# Altium PCB CSU RevB_ASCII.PcbDoc (part 5 of 5)
Units mil, origin at the board's own origin, x right, y up, seen from the top; angles counter-clockwise.
Board outline 5905.51 x 4330.71 mil, 8 copper layers (Top Layer, InternalPlane1, MidLayer1, InternalPlane2, MidLayer2, InternalPlane3, MidLayer3, Bottom Layer); 265 components, 387 nets, 1910 pads, 1151 vias.
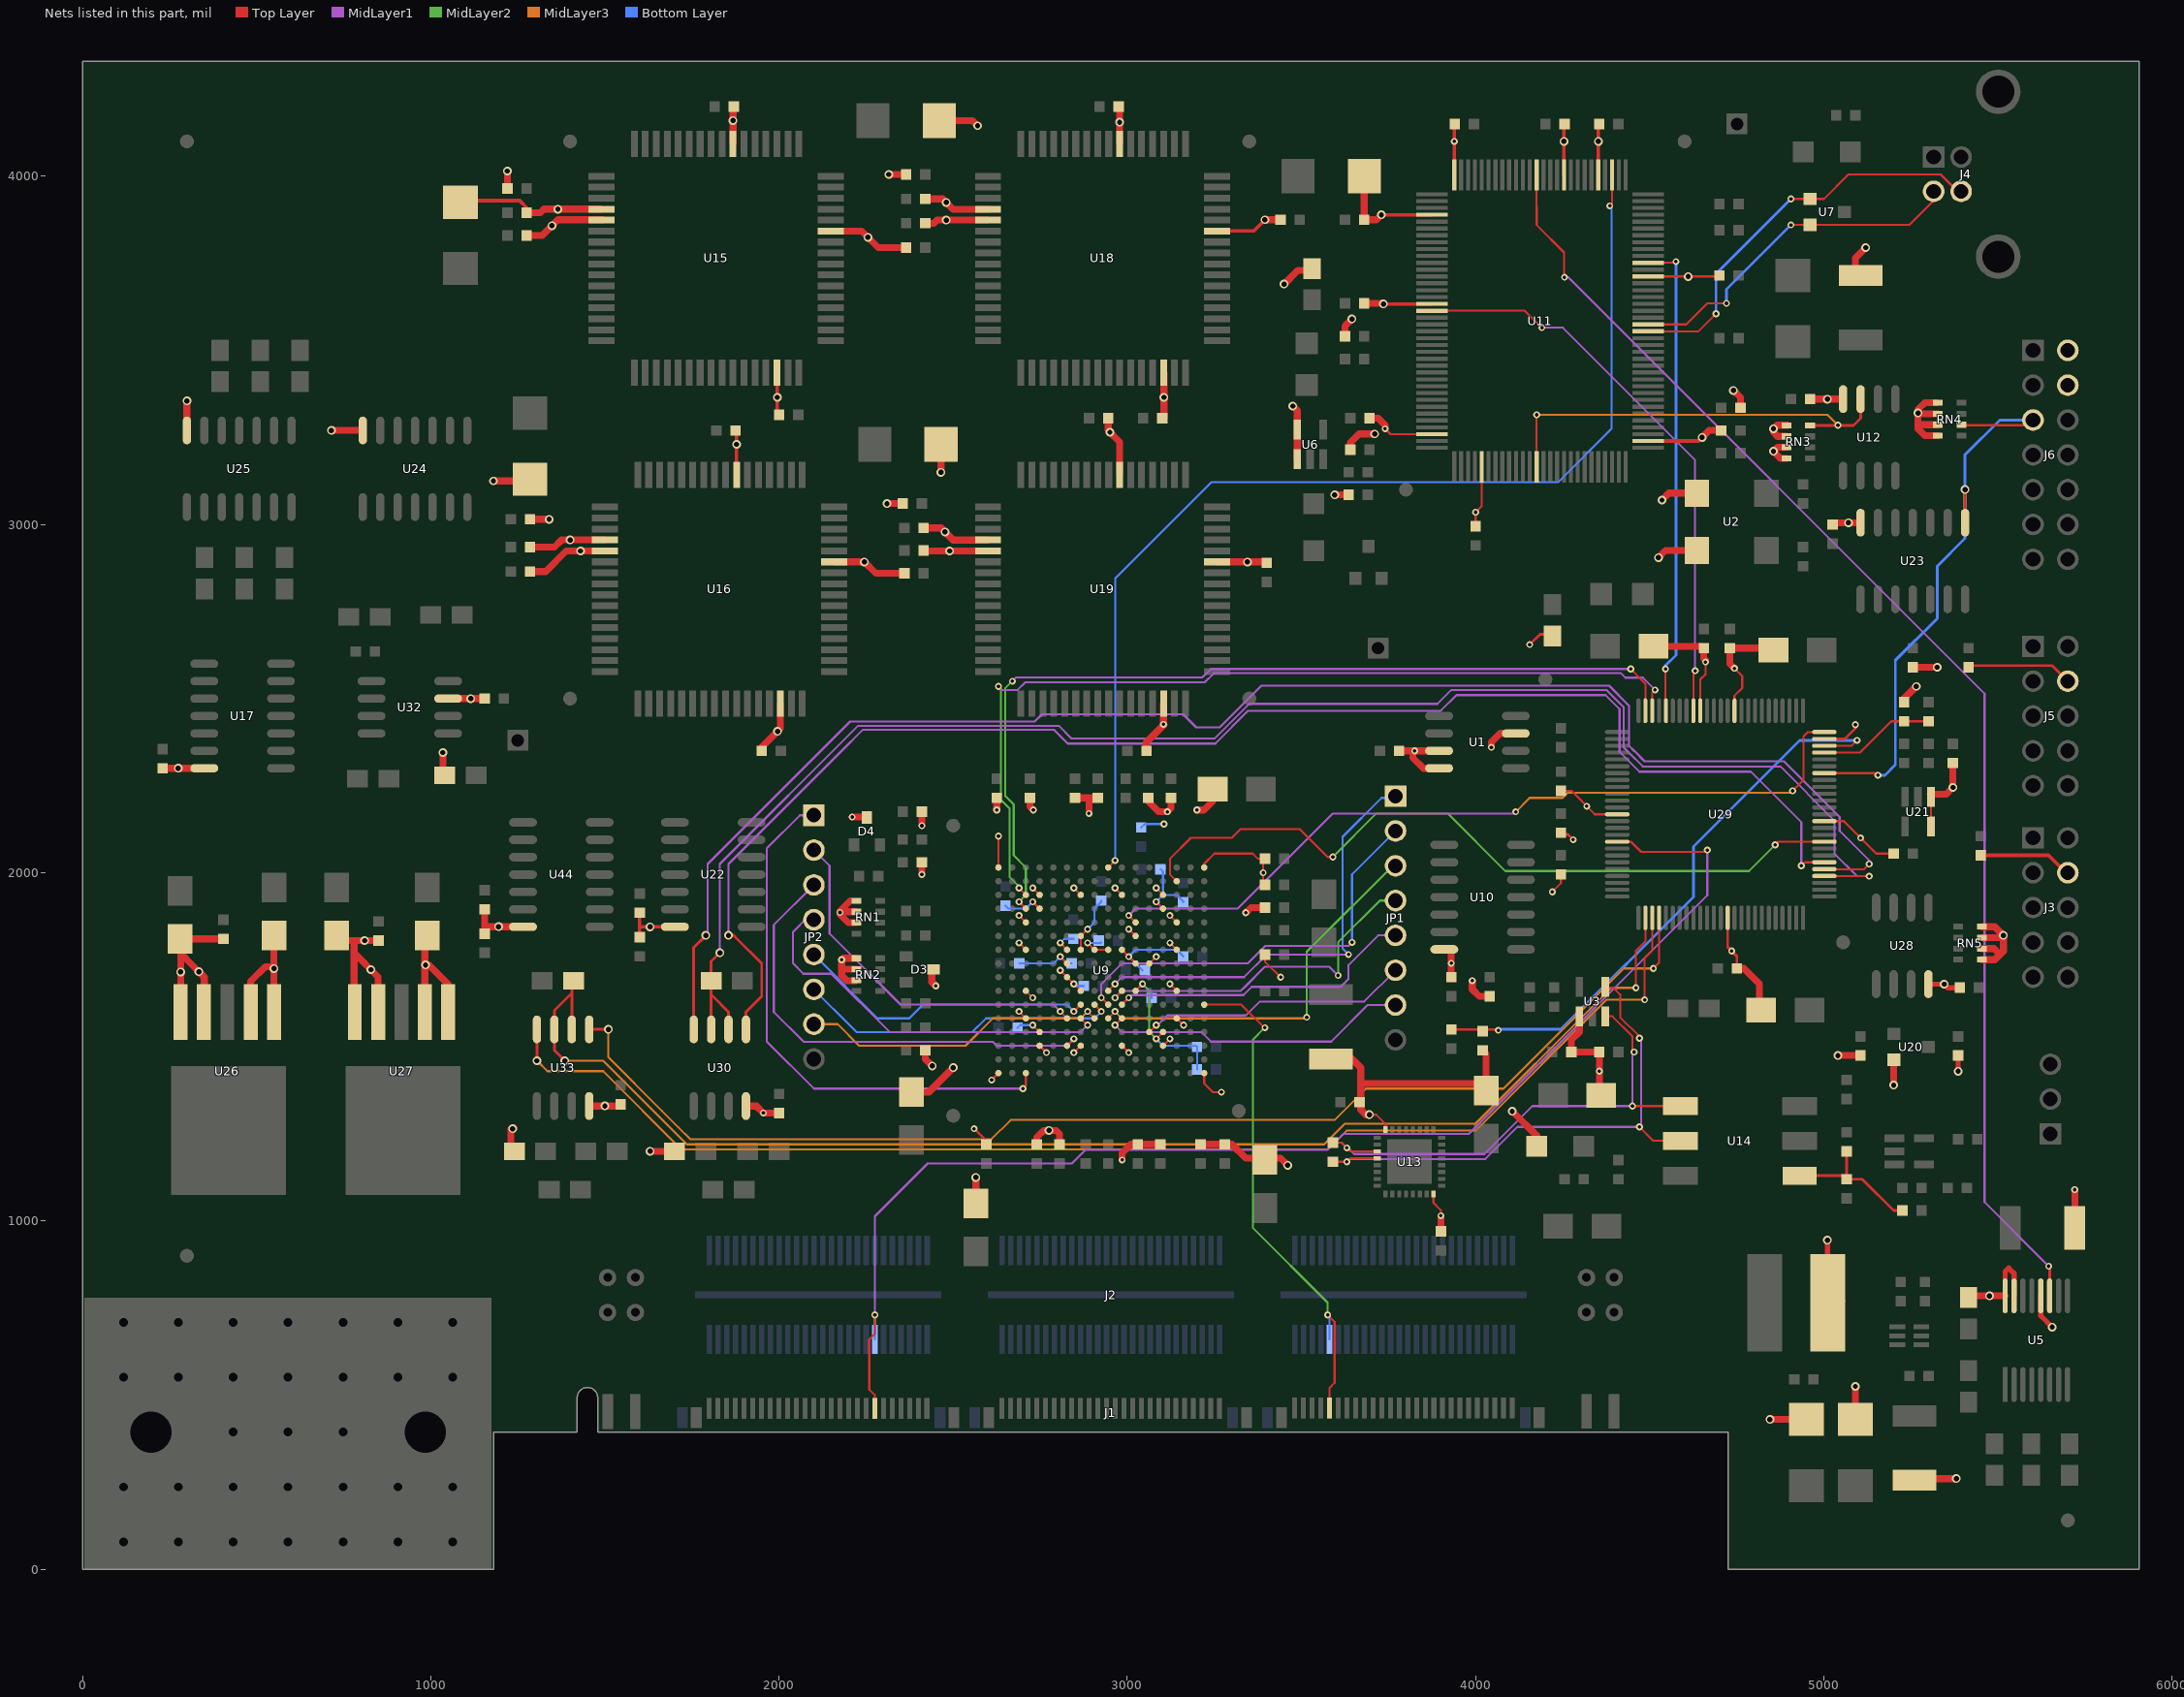
[diagram p11: the nets of this part, all layers, seen from the top]

## Via types
v1: diameter 20, hole 10, Top Layer to Bottom Layer, 647 vias
v2: diameter 25, hole 15, Top Layer to Bottom Layer, 352 vias
v3: diameter 20, hole 10, Top Layer to Bottom Layer, tented top, 151 vias
v4: diameter 20, hole 10, Top Layer to Bottom Layer, tented bottom, 1 vias

## Nets (pads, with @x,y where several pads share a name; then routed paths per layer and width w, separated by ;. In a path a pad name is that pad's centre, name@x,y a point inside that pad or via, vN(x,y) a via of type N, cw(c..) or ccw(c..) an arc to the next point about the centre after c; other vN are vias at no path point) (continued)
TEST_LINE_6: U9.B14 U29.84 | length 2179.4
  Top Layer w6: U9.B14@3141.81,1975.63 3122.13,1995.32 3122.13,2039.57 3182.55,2100 3299.85,2100 3324.85,2125 3495,2125 3575,2045 v1@3595,2045 ; v1(4860,2080) 4869.02,2089.02 U29.84@5001.02,2089.02
  MidLayer2 w6: v1(3590,2045) 3715,2170 3920,2170 4085,2005 4785,2005 v1(4860,2080)
TEST_LINE_7: U9.E11 U29.100 | length 2325.2
  Top Layer w6: v3(3004.02,1877.2) U9.E11@3023.7,1857.52 ; v1(4910,2235) 4941.25,2266.25 4941.25,2391.25 4953.98,2403.98 U29.100@5001.02,2403.98 ; U29.100@5001.02,2405 U29.100@5010,2405
  MidLayer1 w6: v3(3004.02,1877.2) 3023.7,1896.89 3316.89,1896.89 3590,2170 4065,2170 4110,2170 v1(4115,2175)
  MidLayer3 w6: v1(4115,2175) 4155,2215 4250,2215 4265,2230 4905,2230 v1(4910,2235)
TEST_LINE_17: U11.82 U29.17 | length 1655.3
  Top Layer w6: U11.82@3874.45,3613.7 4141.3,3613.7 v1(4190,3565) ; U29.17@4625.04,2465 4625.04,2575.04 v1(4630,2580)
  MidLayer1 w6: v1(4190,3565) 4250.2,3565 4615.37,3199.83 4630,3185.2 v1(4630,2580)
TEST_LINE_21: U11.28 U29.21 | length 1383.9
  Top Layer w6: U11.28@4495,3751.5 4571.5,3751.5 v1(4575,3755) ; U29.21@4545,2465 v1(4545,2585)
  Bottom Layer w8: v1(4545,2585) 4545,2595 4575,2625 v1(4575,3755)
TEST_LINE_23: U9.C3 U29.23 | length 2623.6
  Top Layer w6: v3(2689.06,1955.94) U9.C3@2708.74,1936.26 ; U29.23@4506.93,2465 4506.93,2516.93 v1(4515,2525)
  MidLayer1 w6: v1(2630,2535) 2640,2525 2685,2525 2707,2547 3222,2547 3248,2573 4417,2573 4430,2560 4480,2560 v1(4515,2525)
  MidLayer2 w6: v1(2630,2535) 2637,2528 2637,2209.68 2661.68,2185 2661.68,1988 2689.06,1960.63 v3(2689.06,1955.94)
TEST_LINE_24: U9.D3 U29.24 | length 2629.9
  Top Layer w6: v3(2689.06,1916.57) U9.D3@2708.74,1896.89 ; v1(4445,2585) 4487.24,2542.76 U29.24@4487.24,2465
  MidLayer1 w6: v1(2670,2550) 2681,2561 3215.8,2561 3239.8,2585 v1(4445,2585)
  MidLayer2 w6: v1(2670,2550) 2649,2529 2649,2221 2673.68,2196.32 2673.68,2050.06 2708.74,2015 2708.74,1936.26 v3(2689.06,1916.57)
TG: J1.43 J2.43 U9.L16 | length 1489.5
  Top Layer w6: U9.L16@3220.55,1621.3 3326.73,1621.3 3393.03,1555 v1(3395,1555) ; v1(3575,730) 3595,710 3595,535 3580.21,520.21 J1.43@3580.21,462.85
  MidLayer2 w6: v1(3395,1555) 3360,1520 3360,980.71 3575,765.71 v1(3575,730)
  Bottom Layer w6: v1@3575,735 3580,730 3580,660.35 J2.43@3580.51,659.84
TMS_M: J6.5 RN4.2 U23.8 U29.94 | length 1742.2
  Top Layer w6: U29.94@5001.02,2285.87 5154.13,2285.87 5155,2285 v1(5155,2280)
  Top Layer w8: RN4.2@5390,3285 5585,3285 J6.5@5600,3300 ; U23.8@5405,3005 v2(5405,3100)
  Bottom Layer w8: v1(5155,2280) 5175,2280 5205,2310 5205,2610 5325,2730 5325,2880 5405,2960 5405,3200 5505,3300 J6.5@5600,3300
TST_1: JP2.1 U9.T3 | length 1582
  Top Layer w6: v3(2700,1380) 2708.74,1388.74 U9.T3@2708.74,1424.45
  MidLayer1 w6: JP2.1@2110,2165 2060,2165 1965,2070 1965,1515 2100,1380 v3@2703.66,1380
TST_2: JP2.2 U9.M6 | length 1041.2
  Top Layer w6: v3(2807.17,1601.61) U9.M6@2826.85,1581.93
  MidLayer1 w6: JP2.2@2100,2065 2145,2020 2145,1825 2348.7,1621.3 2787.48,1621.3 v3(2807.17,1601.61)
TST_3: JP2.3 U9.P6 | length 1350.3
  Top Layer w6: U9.P6@2826.85,1503.19 v3(2846.54,1522.87)
  MidLayer1 w6: JP2.3@2100,1965 1985,1850 1985,1600 2070.79,1514.21 2613.98,1514.21 2625,1503.19 2826.85,1503.19 v3(2846.54,1522.87)
TST_4: JP2.4 U9.M7 | length 1132.1
  Top Layer w6: U9.M7@2866.22,1581.93 v3(2885.91,1562.24)
  MidLayer1 w6: JP2.4@2100,1865 2095,1870 2080,1870 2040.32,1830.32 2040.32,1739.68 2070,1710 2150,1710 2317.44,1542.56 2866.22,1542.56 v3(2885.91,1562.24)
TST_5: JP2.5 U9.L7 | length 874.7
  Top Layer w6: v3(2846.54,1601.61) U9.L7@2866.22,1621.3
  Bottom Layer w6: JP2.5@2100,1765 2283.07,1581.93 2374.09,1581.93 2413.46,1621.3 2826.85,1621.3 v3(2846.54,1601.61)
TST_6: JP2.6 U9.L8 | length 921.2
  Top Layer w6: U9.L8@2905.59,1621.3 v3(2925.28,1601.61)
  Bottom Layer w6: JP2.6@2105,1660 2203.51,1561.49 2222.44,1542.56 2555,1542.56 2594.37,1581.93 2905.59,1581.93 v3(2925.28,1601.61)
TST_7: JP2.7 U9.M8 | length 870.1
  Top Layer w6: v3(2885.91,1601.61) U9.M8@2905.59,1581.93
  MidLayer3 w6: JP2.7@2110,1565 2168.19,1565 2230,1503.19 2535.16,1503.19 2613.9,1581.93 2866.22,1581.93 v3(2885.91,1601.61)
TST_11: JP1.1 U9.K9 | length 1278.8
  Top Layer w6: U9.K9@2944.96,1660.67 v3(2964.65,1680.35)
  MidLayer1 w6: v3(2964.65,1680.35) 2984.33,1700.04 3335.04,1700.04 3400,1765 v1(3635,1765)
  Bottom Layer w6: v1(3635,1765) 3617.94,1782.06 3617.94,2102.94 3730,2215 3765,2215 JP1.1@3770,2220
TST_12: JP1.2 U9.L9 | length 1208.3
  Top Layer w6: v3(2925.28,1640.98) U9.L9@2944.96,1621.3
  MidLayer1 w6: v3(2925.28,1640.98) 2925.28,1680.35 2984.33,1739.41 3345.06,1739.41 3395.65,1790 3635,1790 v1(3645,1800)
  Bottom Layer w6: v1(3645,1800) 3645,1995 JP1.2@3770,2120
TST_13: JP1.3 U9.M9 | length 1138.2
  Top Layer w6: U9.M9@2944.96,1581.93 v3(2964.65,1601.61)
  MidLayer2 w6: v1(3515,1585) 3515,1773.03 3770,2028.03 JP1.3@3770,2030
  MidLayer3 w6: v3(2964.65,1601.61) 2984.33,1581.93 3511.93,1581.93 v1(3515,1585)
TST_14: JP1.4 U9.K10 | length 1025.1
  Top Layer w6: v3(2964.65,1640.98) U9.K10@2984.33,1660.67
  MidLayer1 w6: v3(2964.65,1640.98) 2984.33,1660.67 3325.67,1660.67 3338.02,1673.02 3395,1730 3580,1730 v1(3605,1705)
  MidLayer2 w6: v1(3605,1705) 3605,1800 3725,1920 JP1.4@3770,1920
TST_15: JP1.5 U9.L10 | length 891.4
  Top Layer w6: U9.L10@2984.33,1621.3 v3(3004.02,1640.98)
  MidLayer1 w6: v3(3004.02,1640.98) 3011.7,1648.67 3333.47,1648.67 3357.01,1672.21 3612.21,1672.21 3635,1695 3635,1735 3720,1820 JP1.5@3770,1820
TST_16: JP1.6 U9.N12 | length 780.4
  Top Layer w6: U9.N12@3063.07,1542.56 v3(3082.76,1562.24)
  MidLayer1 w6: v3(3082.76,1562.24) 3087.24,1562.24 3115,1590 3340,1590 3380.21,1630.21 3680.21,1630.21 JP1.6@3770,1720
TST_17: JP1.7 U9.M10 | length 896.3
  Top Layer w6: v3(2964.65,1562.24) U9.M10@2984.33,1581.93
  MidLayer1 w6: v3(2964.65,1562.24) 2984.33,1542.56 3212.44,1542.56 3240,1515 3585,1515 3690,1620 JP1.7@3770,1620
TT_SEL_N: J1.117 J2.117 U29.42 | length 3809
  Top Layer w6: J1.117@2274.71,461.79 2274.71,500.5 2259.21,516 2259.21,660 2275,675.79 v1(2275,730) ; U29.42@4406.54,2089.02 4445.98,2089.02 4475,2060 4660,2060 v1(4665,2065)
  MidLayer1 w6: v1(2275,730) 2275,1013.2 2426.8,1165 2841,1165 2880,1204 3574,1204 3602.85,1232.85 3620,1250 3980,1250 4665,1935 v1(4665,2065)
  Bottom Layer w6: v1(2275,730) 2275,660.04 J2.117@2275.2,659.84
TXD_1: U5.11 U11.52 | length 3834.8
  Top Layer w6: 4174.88,3915 U11.52@4174.88,4003.72 ; 4175,3915 4175,3860 4253.67,3781.33 4253.67,3711.33 v1(4255,3710)
  Top Layer w8: v1(5645,870) 5647.95,867.05 U5.11@5647.95,785
  MidLayer1 w6: v1(4255,3710) 4265.2,3710 5461,2514.2 5461,1054 v1(5645,870)
UCA1_T_R: R49.2 U29.52 U33.2 U33.3 | length 3942.1
  Top Layer w6: v1(4460,1669.48) 4460,1775 4487.24,1802.24 U29.52@4487.24,1870.51
  Top Layer w8: v2(1385,1460) 1355,1490 1355,1605 1405,1655 ; U33.2@1405,1550 R49.2@1405,1690
  MidLayer3 w6: v2(1385,1460) 1495,1460 1735,1220 3565,1220 3615.85,1270.85 3624.15,1279.15 3999.15,1279.15 4347.51,1627.51 4389.48,1669.48 v1(4460,1669.48) ; 1537.36,1417.64 1538.1,1416.9
UCA1RXD: U29.54 U33.1 | length 3587.7
  Top Layer w6: v1(4510,1725) 4526.61,1741.61 U29.54@4526.61,1870.51
  Top Layer w8: U33.1@1455,1550 v2(1510,1550)
  MidLayer3 w6: v2(1510,1550) 1510,1470 1663.97,1316.03 1712.67,1267.33 1745,1235 2610,1235 2665,1290 3595,1290 3685,1380 4080,1380 4347.85,1647.85 4425,1725 v1(4510,1725)
UCA1TXD: U29.53 U33.4 | length 3798.3
  Top Layer w6: v1(4485,1635) 4485,1755 4506.93,1776.93 U29.53@4506.93,1870.51
  Top Layer w8: v2(1305,1460) U33.4@1305,1550
  MidLayer3 w6: v2(1305,1460) 1335,1430 1495,1430 1720,1205 3575,1205 3629.43,1259.43 3999.43,1259.43 4375,1635 v1(4485,1635)
UCA3_T_R: R48.2 U29.79 U30.2 U30.3 | length 4614.8
  Top Layer w6: U29.79@5001.02,1990.59 v1@5129.41,1990.59
  Top Layer w8: U30.3@1805,1550 1805,1645 ; v2(1830,1770) 1805,1745 R48.2@1805,1690 1805,1645 ; U30.2@1855,1550 1855,1600 1810,1645 1805,1645
  MidLayer1 w6: v2(1830,1770) 1830,2025 2227,2422 2803,2422 2840,2385 3249.69,2385 3349.69,2485 3519.69,2485 3890,2485 3930,2525 4375,2525 4425,2475 4425,2360 4438.53,2346.47 4480,2305 4875,2305 5030,2150 5030,2055 5095,1990 v1(5130,1990)
UCA3RXD: U29.81 U30.1 | length 4273.4
  Top Layer w6: v1(4935,2020) 4945,2030 U29.81@5000,2030 ; U29.81@5000,2029.96 U29.81@5001.02,2029.96
  Top Layer w8: v2(1855,1820) 1870,1820 1880.25,1809.75 1950,1740 1950,1645 1905,1600 U30.1@1905,1550
  MidLayer1 w6: v2(1855,1820) 1855,2025 2205.52,2375.52 2212.1,2382.1 2240,2410 2790,2410 2829,2371 3252.66,2371 3346.66,2465 3516.66,2465 3900,2465 3945,2510 4373.03,2510 4413,2470.03 4413,2347 4470,2290 4790,2290 4935,2145 v1(4935,2020)
UCA3TXD: U29.80 U30.4 | length 4515.3
  Top Layer w6: U29.80@5000,2010 5115,2010 v1(5130,2025)
  Top Layer w8: U30.4@1755,1550 1755,1785 v2(1790,1820)
  MidLayer1 w6: v2(1790,1820) 1795,1825 1795,2025 2204,2434 2734,2434 2755,2455 3160,2455 3197.72,2417.28 3265,2417.28 3384.72,2537 4383,2537 4440,2480 4440,2365 4455.74,2349.26 ; 4455.42,2349.58 4485,2320 4885,2320 5045,2160 5045,2120 5130,2035 v1(5130,2025)
USBD+: J4.3 U7.1 U11.18 | length 1174
  Top Layer w6: U11.18@4495,3554.65 4639.65,3554.65 v1(4690,3605) ; v1(4905,3935) 5000,3935 5070,4005 5335,4005 5385,3955 5392.01,3955 J4.3@5393.7,3956.69
  Bottom Layer w8: v1(4690,3605) 4690,3720 v1(4905,3935)
USBD-: J4.2 U7.2 U11.19 | length 1017.5
  Top Layer w6: U11.19@4495,3574.33 4604.33,3574.33 4665,3635 v1(4720,3635) ; v1(4905,3860) 4959.8,3860 U7.2@4960,3860.2 5245.2,3860.2 5315,3930 5315,3956.65 J4.2@5314.96,3956.69
  Bottom Layer w8: v1(4720,3635) 4720,3675 v1(4905,3860)
VCC: C1.1 C3.2 C4.1 C8.2 C10.1 C11.1 C12.1 C15.2 C18.2 C20.2 C22.2 C23.1 C25.2 C26.2 C27.2 C28.2 C30.2 C32.1 C39.1 C40.1 C41.1 C42.2 C43.2 C44.2 C45.2 C47.2 C48.2 C49.1 C50.2 C51.2 C52.2 C53.2 C55.1 C56.1 C57.2 C58.2 C59.2 C60.2 C61.2 C62.2 C63.2 C64.2 C65.2 C66.2 C67.2 C68.1 C69.1 C70.1 C71.1 C72.1 C73.2 C75.2 C76.2 C77.1 C78.1 C79.1 C80.1 C81.1 C82.1 C83.1 C84.1 C85.1 C86.1 C87.1 C88.1 C89.1 C90.1 C91.1 C92.1 C93.1 C94.1 C95.1 C96.1 C97.1 C98.1 C99.1 C103.1 C104.1 C107.1 C108.1 C109.1 C111.1 C112.1 C113.2 C137.1 C138.1 C140.2 C142.1 D3.3 D4.3 J3.4 J5.4 J6.2 J6.4 L1.1 L3.1 L4.2 L5.1 L6.2 R1.1 R4.1 R7.2 R10.1 R11.1 R21.2 R25.2 R26.2 R27.1 R28.2 R29.2 R31.2 R32.1 R40.2 R44.2 R50.1 R53.1 R56.2 R57.2 R58.2 RN1.5 RN1.6 RN1.7 RN2.5 RN2.6 RN2.7 RN3.5 RN3.6 RN3.7 RN3.8 RN4.5 RN4.6 RN4.7 RN4.8 RN5.5 RN5.6 RN5.7 RN5.8 U1.3 U1.7 U1.8 U2.1 U2.4 U3.1 U5.12 U5.15 U5.16 U6.1 U6.5 U9.A1 U9.A16 U9.C4 U9.C7 U9.C10 U9.C13 U9.E3 U9.E14 U9.G3 U9.G14 U9.H12 U9.K3 U9.K14 U9.M3 U9.M14 U9.P4 U9.P7 U9.P10 U9.P13 U9.T1 U9.T16 U10.14 U11.2 U11.26 U11.43 U11.48 U11.64 U11.68 U11.81 U11.100 U11.107 U12.8 U15.4 U15.5 U15.30 U15.43 U15.55 U16.4 U16.5 U16.30 U16.43 U16.55 U17.14 U18.4 U18.5 U18.30 U18.43 U18.55 U19.4 U19.5 U19.30 U19.43 U19.55 U20.2 U21.1 U21.5 U22.14 U23.14 U24.14 U25.14 U26.1 U26.2 U27.1 U27.2 U28.8 U29.11 U29.16 U29.38 U29.64 U29.87 U30.8 U32.3 U33.8 U44.14 | length 17426.3
  Top Layer w6: C40.1@1085,3925 C40.1@1090,3930 ; U15.5@1490,3874.01 1490.99,3875 U15.5@1495,3875 ; R53.1@1700,1200 R53.1@1705,1200 ; U15.30@1993.94,3436 U15.30@1995,3434.94 ; v1@2175,1880 v1(2175,1885.98) ; v1@2175,1890 v1@2177.01,1887.99 ; 2180,1720 2182.99,1722.99 ; 2204.49,1919.49 RN1.5@2222,1919.49 ; RN2.5@2216.49,1760 RN2.5@2222,1754.49 ; C58.2@2415,2924.99 C58.2@2415.98,2924.01 ; v3(2610.32,1404.76) U9.T1@2630,1424.45 ; U9.A1@2630,2015 v1(2630,2105) ; v3(2689.06,1601.61) U9.M3@2708.74,1581.93 ; v3(2689.06,1798.46) U9.G3@2708.74,1778.78 ; v3(2689.06,1877.2) U9.E3@2708.74,1857.52 ; U9.K3@2708.74,1660.67 v3(2728.43,1640.98) ; v3(2728.43,1955.94) U9.C4@2748.11,1936.26 ; C96.1@2735,1220 C96.1@2739.99,1224.99 ; U9.P4@2748.11,1503.19 v3(2767.8,1483.5) ; C95.1@2814.99,1220 C95.1@2814.99,1230.01 ; v3(2846.54,1483.5) U9.P7@2866.22,1503.19 ; v3(2846.54,1955.94) U9.C7@2866.22,1936.26 ; v3(2964.65,1955.94) U9.C10@2984.33,1936.26 ; C61.2@2975,4199.99 C61.2@2977.95,4197.04 ; U9.P10@2984.33,1503.19 v3(3004.02,1483.5) ; U9.H12@3063.07,1739.41 v3(3082.76,1759.09) ; v3(3082.76,1955.94) U9.C13@3102.44,1936.26 ; C93.1@3094.99,1220 C93.1@3099.99,1220 ; C66.2@3100,3304.99 C66.2@3105,3309.99 ; U9.P13@3102.44,1503.19 v3(3122.13,1522.87) ; v1@3115,2170 v1(3115,2175) ; v3(3122.13,1680.35) U9.K14@3141.81,1660.67 ; v3(3122.13,1798.46) U9.G14@3141.81,1778.78 ; v3(3122.13,1877.2) U9.E14@3141.81,1857.52 ; U9.M14@3141.81,1581.93 v3(3161.5,1562.24) ; C91.1@3199.99,1220 C91.1@3215,1220 ; U9.T16@3220,1425 U9.T16@3225,1425 ; U9.A16@3220,2015 3220,2025 3250,2055 3360,2055 3375,2040 C87.1@3394.99,2040 ; U9.T16@3220.55,1424.45 3220.55,1394.45 3245,1370 v1(3270,1370) ; U19.43@3255,2895 U19.43@3258,2895 ; C87.1@3390,2030 3390,1967.91 C88.1@3392.6,1965.31 ; C90.1@3395,1764.99 3395,1745 v1(3440,1700) ; C22.2@3685,3309.99 3689.99,3305 C22.2@3695,3305 ; v1(3740,3275) 3755.63,3259.37 U11.100@3874.45,3259.37 ; C25.2@4000.01,2995 v1(4000,3035.2) 4017.4,3052.6 U11.107@4017.4,3165.63 ; U1.3@4115,2400 U1.3@4120,2400 ; v1(4220,1945) 4244.99,1969.99 R58.2@4244.99,1995 ; C79.1@4245.01,2235 4275,2235 v1(4319.04,2190.97) 4320,2190 4342.24,2167.76 U29.38@4406.54,2167.76 ; C30.2@4253.62,4148.62 C30.2@4255,4150 ; C28.2@4350,4150 C28.2@4352.05,4147.95 ; U11.2@4475,3240 U11.2@4495,3240 ; U11.2@4494.68,3240 U11.2@4495,3239.68 ; U2.1@4634.94,2915 U2.1@4635,2915 ; U29.16@4645,2465 4645,2555 4660,2570 v1@4660,2610 ; C27.2@4697.12,3712.13 C27.2@4700,3715.01 ; U29.11@4743.15,2465 4743.15,2508.15 4765,2530 4765,2565 v1(4743.15,2586.85) ; U29.87@5001.02,2148.07 5056.93,2148.07 5150.01,2054.99 C80.1@5200,2054.99 ; R31.2@5250,2590 R31.2@5254.99,2590 ; U21.5@5307.4,2132.68 5307.4,2222.4 U21.1@5310,2225
  Top Layer w8: v1(2560,1265) 2594.99,1230.01 C97.1@2594.99,1220 ; v1(4155,2655) 4185,2685 R29.2@4220,2685 ; R57.2@4245,2110 4265,2110 v1(4280,2095) ; U11.26@4495,3712.13 C27.2@4697.12,3712.13 ; U29.64@4723.46,1870.51 4723.46,1786.54 4730.72,1779.28 4750,1760 C113.2@4750,1724.99 ; C10.1@5415.01,2590 5425,2590 5430,2595 5655,2595 J5.4@5700,2550
  Top Layer w10: C40.1@1090,3930 1255,3930 1275,3910 ; C76.2@1600.01,1815 C75.2@1600.01,1884.98 ; 1600.01,1844.57 U22.14@1701.14,1844.57 ; v2(1630,1844.57) v2@1630,1845 ; C53.2@1875,3269.99 1877.95,3267.04 U16.55@1877.95,3143 ; C47.2@1995,3310 U15.30@1995,3434.94 ; U18.43@3258,3842.52 3362.51,3842.52 v2(3395,3875.01) ; v2(3729.29,3889.29) U11.68@3874.45,3889.29 ; v2@3730,3633.39 U11.81@3874.45,3633.39 ; U11.64@3938.66,4003.72 3938.66,4148.66 C15.2@3940,4150.01 ; U11.48@4253.62,4003.72 C30.2@4253.62,4148.62 ; U11.43@4352.05,4003.72 4352.05,4147.06 C28.2@4355,4150.01 ; U11.2@4495,3239.68 4639.68,3239.68 v2(4650,3250) ; U2.4@4634.94,3090 4635,3090.06 U2.4@4635,3100 ; C12.1@5445,2050 5645,2050 5695,2000 J3.4@5700,2000
  Top Layer w15: L6.2@5010,760 v2(5010,945) ; L6.2@5010,770 L6.2@5055,770 ; U28.8@5300,1680 v2(5345,1680) 5355.01,1669.99 C108.1@5390,1669.99 ; v2(5385,1430) C138.1@5385.01,1475 ; U5.16@5520,785 5520,855 5530,865 5545.59,849.41 U5.15@5545.59,785 ; U5.12@5622.36,785 5622.36,727.64 v2(5655,695)
  Top Layer w20: C49.1@230.01,2300 U17.14@355,2300 ; U25.14@300,3270 v2(300,3355) ; U26.2@483,1600.29 483,1688 525,1730 545,1730 v2(550,1725) ; U26.1@550,1605 C77.1@550,1820 ; v2(715,3270) U24.14@805,3270 ; U27.2@983,1600.29 983,1818 C78.1@985,1820 ; v2@983,1733 v2(985,1735) 995,1735 1050,1680 U27.1@1050,1600.29 ; R44.2@1035,2280 v2(1035,2345) ; U32.3@1055,2500 C140.2@1155,2500.01 ; C63.2@1155.01,1825 C71.1@1155.01,1895 ; 1155.01,1845 U44.14@1264.96,1845 ; v2(1180,3125) C41.1@1285,3125 ; R25.2@1220,3965.01 v2(1220,4015) ; R50.1@1230,1190 v2@1230,1265 ; R50.1@1240,1195 R50.1@1240,1200 ; C44.2@1275.01,3830 1320,3830 v2@1348.27,3858.27 ; C42.2@1275.01,3895 1315,3895 1325.51,3905.51 U15.4@1490,3905.51 ; C45.2@1285.01,2865 1330,2865 1389.01,2924.01 U16.5@1500,2924.01 ; C43.2@1285.01,2935 1355,2935 1375.51,2955.51 U16.4@1500,2955.51 ; R26.2@1285,3014.99 v2@1339.99,3014.99 ; v2(1348.04,3858.04) 1365,3875 U15.5@1495,3875 ; v2@1400,2955 v2(1400,2955.51) ; U33.8@1455,1330 C142.1@1540,1330 ; v2(1630,1200) R53.1@1705,1200 ; U15.55@1867.95,4093 1867.95,4197.94 C52.2@1870,4199.99 ; U30.8@1905,1330 1935,1330 v1(1955,1310) C137.1@2000.01,1310 ; C48.2@1950,2349.99 1950,2360 2003.94,2413.94 U16.30@2003.94,2486 ; U15.43@2148,3842.52 2237.48,3842.52 2285,3795 C50.2@2365,3795.01 ; U16.43@2158,2892.52 v2(2245,2892.52) 2277.52,2860 C51.2@2360,2860.01 ; v1@2175,1880 2198.5,1856.5 RN1.7@2222,1856.5 ; v1@2175,1890 2204.49,1919.49 ; v1@2177.01,1887.99 RN1.6@2222,1887.99 ; 2182.99,1722.99 RN2.6@2222,1722.99 ; v1(2210,2160) D4.3@2255,2160 ; RN2.7@2220,1690 2195,1690 2180,1705 v1(2180,1750) 2184.49,1754.49 RN2.5@2222,1754.49 ; v2(2310,3060) R28.2@2355,3060.01 ; v2@2315.01,4004.99 R27.1@2365,4004.99 ; v1(2410,1995) C98.1@2410,2030.01 ; v1(2410,2135) C103.1@2410,2175.01 ; C60.2@2415.01,2990 2465,2990 2477.71,2977.29 2500,2955 U19.4@2600,2955 ; C58.2@2415.98,2924.01 U19.5@2600,2924.01 ; C99.1@2420,1495 2420,1465 v2(2440,1445) ; C57.2@2420.01,3865 2445,3865 2454.01,3874.01 U18.5@2600,3874.01 ; C59.2@2420.01,3935 2470,3935 2500,3905 U18.4@2605,3905 ; D3.3@2438.74,1722.6 2438.74,1686.26 v1(2450,1675) ; C55.1@2460,4145 2460,4150 2470,4160 2555,4160 v2(2570,4145) ; v2(2465,3150) C56.1@2465,3230 ; C109.1@2565,1055 v2(2565,1125) ; v1(2625,2180) C82.1@2625.01,2215 ; C83.1@2720.01,2215 2720.01,2189.99 v1(2730,2180) ; C96.1@2739.99,1220 2739.99,1239.99 2760,1260 2795,1260 2805,1250 C95.1@2804.99,1220 ; C81.1@2850.01,2215 C84.1@2915.01,2215 ; v1(2890,2170) 2890,2215 ; C67.2@2945,3304.99 2945,3270 2977.95,3237.05 U19.55@2977.95,3143 ; U18.55@2977.95,4093 C61.2@2977.95,4197.04 ; v1(2985,1175) 2985,1195 3010,1220 C93.1@3094.99,1220 ; C62.2@3055,2349.99 3055,2375 3105,2425 v1(3103.94,2426.06) U19.30@3103.94,2486 ; C86.1@3060.01,2215 3060.01,2204.99 3090,2175 v1(3115,2175) 3125.01,2185.01 C85.1@3125.01,2215 ; C66.2@3105,3305 U18.30@3105,3435 ; C91.1@3209.99,1220 3300,1220 3340,1180 3440,1180 v2(3460,1160) ; U19.43@3258,2892.52 3397.49,2892.52 C65.2@3400.01,2890 ; v1(3340,1885) 3355,1900 C89.1@3395,1900 ; v2(3395,3875.01) C64.2@3440,3875.01 ; v2(3450,3690) 3490,3730 R4.1@3530,3730 ; v2(3475,3340) 3487.6,3327.4 U6.1@3487.6,3187.68 ; v2@3595.02,3085 R1.1@3635,3085 ; R7.2@3625,3535 3625,3570 v2(3645,3590) ; R10.1@3640,3215 3640,3235 3665,3260 v2(3710,3260) ; C20.2@3680,3640 C20.2@3680,3634.99 3728.39,3634.99 v2@3730,3633.39 ; C32.1@3680,4030 3680,3875.29 3680.15,3875.14 3715.14,3875.14 v2(3729.29,3889.29) ; C22.2@3690,3305 3720,3305 3740,3285 v1(3740,3275) ; C11.1@3780,2350.01 U1.7@3895,2350 ; v1(3825,2350) 3820,2345 3820,2330 3850,2300 U1.8@3895,2300 ; C23.1@3924.99,1695 C23.1@3929.99,1700 v1(3929.99,1740) U10.14@3930,1780 ; v1(3990,1690) 3990,1665 4010,1645 R21.2@4039.99,1645 ; v1(4045,2360) 4045,2375 4070,2400 U1.3@4115,2400 ; v2(4105,1315) 4175,1245 L5.1@4175,1210 ; U3.1@4297.6,1587.68 4297.6,1542.6 4275,1520 C8.2@4275,1484.99 4354.98,1484.99 C1.1@4354.98,1365.02 ; C70.1@4515,2645 C70.1@4510,2650 4650,2650 C73.2@4654.99,2645 4655,2615 v1@4660,2610 ; v2(4525,2905) 4545,2925 U2.1@4635,2925 ; v2(4535,3070) 4555,3090 U2.4@4634.94,3090 ; v2(4650,3250) 4670,3270 C26.2@4705,3270.01 ; v2(4740,3385) 4760,3365 R11.1@4760,3335.01 ; v1(4743.15,2586.85) 4730.01,2599.99 C72.1@4730.01,2645 4850,2645 4855,2650 C69.1@4855,2655 ; C113.2@4750,1724.99 4770.01,1724.99 4815,1680 4815,1610 C112.1@4820,1605 ; v2(4845,430) 4845.15,430.15 C104.1@4949.78,430.15 ; RN3.8@4892,3190 4875,3190 v2(4855,3210) 4866.5,3221.5 RN3.7@4892,3221.5 ; RN3.6@4892,3252.99 4867.01,3252.99 4855,3265 v2(4855,3275) 4865,3285 RN3.5@4895,3285 ; C39.1@4960,3360.01 U12.8@5055,3360 ; C68.1@5020,3005 U23.14@5105,3005 ; v2(5040,1475) R56.2@5104.99,1475 ; C107.1@5089.78,430.15 5089.78,524.78 v2(5090,525) ; L3.1@5090,3715 5090,3765 v2(5120,3795) ; v2(5200,1390) U20.2@5200,1460 ; R40.2@5230.01,2490 5230.01,2500.01 v2(5265,2535) ; R31.2@5254.99,2590 v2(5325,2590) ; L1.1@5260,260 v2(5380,260) ; 5270,3285 5271.5,3286.5 RN4.7@5327,3286.5 ; v2(5270,3320) 5272.01,3317.99 RN4.6@5327,3317.99 ; U21.1@5305,2225 5350,2225 v2(5370,2245) R32.1@5370,2314.99 ; RN4.5@5325,3350 5290,3350 5270,3330 5270,3275 5290,3255 RN4.8@5327,3255 ; C4.1@5415,780 5420,785 U5.16@5520,785 ; RN5.5@5453,1750 5490,1750 5515,1775 v2(5515,1820) ; RN5.6@5453,1782.01 5487.99,1782.01 5505,1765 ; RN5.7@5453,1813.5 5508.5,1813.5 v2(5515,1820) ; RN5.8@5453,1845 5490,1845 v2(5515,1820) ; v1(5720,1090) 5720.12,1089.88 L4.2@5720.12,979.96
  other v1: 4354.98,1430 4735,1775 3390,2000 5105,2100 4660,2605 3938.66,4100
  other v2: 5475,785 2775,1260 1235,1265 1500,1330 1195,1845 275,2300 1995.67,2405.67 1115,2500 3345,2892.52 1430,2924.01 2490,2924.01 2476.56,2978.44 5070,3005 1340,3015 3595.01,3084.99 1877.95,3230 2950,3265 5010,3360 1995,3365 3105,3365 3735,3633.39 4610,3712.13 2255.22,3824.78 2480,3874.01 1365,3905.51 2480,3925 2315,4005 4253.62,4100 4352.05,4100 2977.95,4155 1867.95,4160
VCC_1.2V: C102.1 C106.2 C114.2 C115.2 C116.2 C117.2 C118.2 C119.2 C120.2 C121.2 C122.2 C123.2 C124.2 C125.2 C126.1 C129.2 C131.2 C133.2 C135.2 C136.1 U9.D4 U9.D13 U9.F7 U9.F11 U9.G6 U9.G7 U9.G8 U9.G9 U9.G10 U9.H6 U9.H11 U9.J6 U9.K7 U9.K11 U9.N4 U9.N13 U27.4 U27.5 U29.99 | length 2768.9
  Top Layer w6: v3(2728.43,1562.24) U9.N4@2748.11,1542.56 ; v3(2728.43,1916.57) U9.D4@2748.11,1896.89 ; v3(2807.17,1719.72) U9.J6@2826.85,1700.04 U9.K7@2866.22,1660.67 ; v3(2807.17,1759.09) U9.H6@2826.85,1739.41 ; v3(2807.17,1798.46) U9.G6@2826.85,1778.78 ; U9.G7@2866.22,1778.78 U9.F7@2866.22,1818.15 v3(2885.91,1837.83) ; v3(2885.91,1798.46) U9.G8@2905.59,1778.78 U9.G9@2944.96,1778.78 ; U9.G10@2984.33,1778.78 U9.H11@3023.7,1739.41 ; v3(3004.02,1837.83) U9.F11@3023.7,1818.15 ; U9.K11@3023.7,1660.67 v3(3043.39,1680.35) ; v3(3082.76,1522.87) U9.N13@3102.44,1542.56 ; v3(3082.76,1916.57) U9.D13@3102.44,1896.89
  Top Layer w8: U29.99@5001.02,2384.29 5059.29,2384.29 5065,2390 5090,2415 v1(5090,2425)
  Top Layer w20: C102.1@735,1805 C106.2@849.99,1805 ; 780,1770 849,1701 U27.4@849,1600.29 U27.4@850,1601.29 ; 780,1805 780,1602.29 U27.5@782,1600.29 ; C126.1@2380,1370 2430,1370 v2(2500,1440) ; v1(3200,2180) 3220,2180 3245,2205 C136.1@3245,2240
  MidLayer2 w6: v3(3043.39,1680.35) 3063.07,1660.67 3063.07,1542.56 v3(3082.76,1522.87)
  Bottom Layer w6: C133.2@2650.01,1905 2658.12,1896.89 2708.74,1896.89 v3(2728.43,1916.57) ; C121.2@2685,1555.01 2692.24,1562.24 v3(2728.43,1562.24) ; C115.2@2690,1740.01 2690.6,1739.41 2787.48,1739.41 v3(2807.17,1759.09) 2826.27,1739.99 C116.2@2840,1739.99 ; v3(2807.17,1798.46) 2818.7,1810 C123.2@2845.01,1810 ; v3(2846.54,1680.35) 2851.9,1674.99 C125.2@2875,1674.99 ; v3(2885.91,1798.46) 2923.47,1798.46 C129.2@2925,1799.99 ; v3(2885.91,1837.83) 2905.59,1857.52 2905.59,1896.89 2925.01,1916.31 C124.2@2925.01,1920 ; C117.2@3039.99,2130 3049.99,2140 v1(3105,2140) ; v3(3043.39,1680.35) 3070,1653.74 C119.2@3070,1639.99 ; C114.2@3043.39,1719.72 v3(3004.02,1759.09) 3023.7,1778.78 3141.81,1778.78 3160,1760.59 C118.2@3160,1759.09 ; v3(3082.76,1522.87) 3102.44,1503.19 3196.8,1503.19 C120.2@3200,1499.99 C122.2@3200,1434.99 ; v3(3082.76,1916.57) 3083.43,1916.57 3083.43,1917.24 3102.44,1936.26 ; C135.2@3095,2010.01 3102.44,2002.57 3102.44,1936.26 ; C131.2@3159.92,1915 C131.2@3160.01,1915 ; C131.2@3161.5,1916.57 3141.81,1936.26 3102.44,1936.26
  other v2: 828.45,1721.55 810,1805
VCC_2.5_TEST: R41.1 R42.2 U29.98 | length 1700.4
  Top Layer w6: R42.2@3932.45,1547.56 R42.2@3930.01,1550 4062.56,1550 v1(4065,1547.56) ; U29.98@5000,2365 5080,2365 v1(5095,2380)
  Bottom Layer w8: v1(4065,1547.56) 4067.44,1550 4245,1550 4625,1930 4625,2075 4930,2380 5075,2380 v1(5095,2380)
VCC_2.5V: C29.1 C33.2 C36.2 C101.1 C105.2 L7.2 R41.2 U13.16 U13.32 U26.4 U26.5 | length 1635.4
  Top Layer w6: U26.5@280,1600 U26.5@280,1600.29 ; v2(3695,1305) 3715,1305 3741.1,1278.9 U13.32@3741.1,1262.52 ; U13.16@3878.9,1077.48 3878.9,1052.32 3900,1031.21 v1@3900,1010 ; C29.1@4025,1400 R41.2@4025,1494.99
  Top Layer w20: v2@280,1715 v2(282,1715) ; U26.5@282,1600.29 C101.1@282,1768 ; U26.4@349,1600.29 350,1601.29 350,1700 316.88,1733.12 C101.1@282,1768 ; C105.2@405,1805 400,1810 C101.1@280,1810 C101.1@282,1808 ; L7.2@3589.84,1460 L7.2@3584.96,1464.88 3645.12,1464.88 3670,1440 3670,1320 3685,1305 v2(3695,1305) ; 3670,1400 3675,1395 C29.1@4030,1395 ; C33.2@3900.01,970 v1@3900.01,1009.99 ; R41.2@4019.99,1490 4030,1479.99 C29.1@4030,1375 ; C101.1@282,1768 C101.1@282,1808 ; C101.1@282,1768 C101.1@282,1808 ; C101.1@282,1768 C101.1@282,1808
  other v1: 3900,1015
  other v2: 334.57,1715.43
VCC_TEST: R39.2 R40.1 U29.97 | length 326.2
  Top Layer w6: U29.97@5001.02,2344.92 5060,2344.92 ; 5060,2345 5103.03,2345 5193.03,2435 R40.1@5220,2435 ; R40.1@5230.01,2435 R39.2@5299.99,2435
VCO_CONTROL: C34.1 C37.2 R59.2 U14.1 | length 416.4
  Top Layer w8: U14.1@4930,1130 5055.01,1130 C37.2@5065.01,1120 ; C34.1@5065.01,1200 C37.2@5065.01,1120 ; R59.2@5225,1030.01 5199.99,1030.01 5110,1120 C37.2@5065.01,1120
VCX_N: R23.1 U3.4 U13.4 U14.5 | length 1605.9
  Top Layer w6: R23.1@3590.01,1170 v1(3630,1170) 3639.84,1179.84 U13.4@3717.48,1179.84 ; U3.4@4375,1672.32 U3.4@4372.4,1672.32 4374.72,1670 4395,1670 4415,1650 4415,1585 4470,1530 v1(4470,1525) ; v1(4470,1270) 4510,1230 U14.5@4585,1230
  MidLayer1 w6: v1(3630,1170) 3638.04,1178.04 4027.97,1178.04 4119.93,1270 v1(4470,1270) 4475,1275 4475,1520 v1(4470,1525)
VCX_P: R23.2 U3.3 U13.3 U14.4 | length 1478.2
  Top Layer w6: R23.2@3590.01,1225 3615,1225 3640.47,1199.53 U13.3@3717.48,1199.53 ; U3.3@4372.4,1587.68 4392.32,1587.68 4450,1530 4450,1490 v1(4455,1485) ; v1(4450,1330) U14.4@4590,1330
  MidLayer1 w6: v1(3630,1210) 3633.04,1210 3651,1192.04 4025,1192.04 4162.96,1330 v1(4450,1330) 4450,1490 v1(4455,1485)
WR_N: U9.A9 U11.41 | length 3174.8
  Top Layer w6: U9.A9@2945,2015 v1@2964.82,2034.82 ; v1(4385,3915) 4391.42,3921.42 U11.41@4391.42,4003.72
  Bottom Layer w6: v1(2964.65,2035) 2965.4,2035.75 2965.4,2845.51 3241,3121.11 4236.11,3121.11 4390,3275 4390,3910 v1(4385,3915)
WRPROTECT: RN3.4 U11.115 U12.7 | length 1235.2
  Top Layer w6: U11.115@4174.88,3165.63 v1@4174.88,3314.88
  Top Layer w8: RN3.4@4960.01,3284.49 5084.49,3284.49 5105,3305 U12.7@5105,3360
  MidLayer3 w6: v1(4175,3315) 5010,3315 v1(5040,3285)
pads on no net: 1. 2. ?. D1.2 J1.120 J2.120 J4.1 J5.6 J5.7 J5.8 J6.6 J6.10 J6.13 U5.1 U5.10 U9.B3 U9.B10 U9.B12 U9.C9 U9.D9 U9.D12 U9.E9 U9.F16 U9.J15 U9.L14 U9.L15 U11.6 U11.7 U11.8 U11.9 U11.11 U11.14 U11.15 U11.16 U11.21 U11.22 U11.23 U11.29 U11.30 U11.31 U11.34 U11.38 U11.39 U11.42 U11.50 U11.51 U11.66 U11.67 U11.69 U11.71 U11.84 U11.98 U11.126 U11.127 U11.128 U13.5 U13.6 U13.7 U15.36 U15.37 U15.38 U15.40 U15.41 U15.42 U15.44 U15.45 U15.47 U15.48 U15.54 U15.56 U16.36 U16.37 U16.38 U16.40 U16.41 U16.42 U16.44 U16.45 U16.47 U16.48 U16.54 U16.56 U18.36 U18.37 U18.38 U18.40 U18.41 U18.42 U18.44 U18.45 U18.47 U18.48 U18.56 U18.57 U19.36 U19.37 U19.38 U19.40 U19.41 U19.42 U19.44 U19.45 U19.47 U19.48 U19.56 U19.57 U29.90 U44.5 U44.6 U44.10 U44.11 U44.12 U44.13

## Polygon pours and split planes (outlines as drawn)
GND on Top Layer "Top Layer-No Net" (solid, remove dead copper, pour order 1000): 100,1500 100,1000 650,1000 650,1500
GND on Top Layer "Top Layer-No Net" (solid, remove dead copper, pour order 1001): 700,1000 1170,1000 1170,1500 700,1500
GND on InternalPlane1 (split plane): 5885.41,20.1 4744.51,20.1 4744.51,393.7 4744.12,397.62 4742.98,401.39 4741.12,404.87 4738.62,407.91 4735.57,410.41 4732.1,412.27 4728.33,413.41 4724.41,413.8 1499.6,413.8 1499.6,492.13 1499.56,492.57 1499.27,497.68 1498.34,503.16 1496.8,508.51 1494.67,513.65 1491.98,518.52 1488.76,523.05 1485.06,527.2 1480.91,530.91 1476.37,534.13 1471.5,536.82 1466.36,538.95 1461.02,540.49 1455.53,541.42 1449.98,541.73 1444.42,541.42 1438.94,540.49 1433.59,538.95 1428.45,536.82 1423.59,534.13 1419.05,530.91 1414.9,527.2 1411.19,523.05 1407.98,518.52 1405.28,513.65 1403.16,508.51 1401.62,503.16 1400.68,497.68 1400.4,492.57 1400.35,492.13 1400.35,413.8 1181.1,413.8 1177.18,413.41 1173.41,412.27 1169.94,410.41 1166.89,407.91 1164.39,404.87 1162.54,401.39 1161.39,397.62 1161.01,393.7 1161.01,20.1 20.1,20.1 20.1,4310.61 5885.41,4310.61
VCC on InternalPlane2 (split plane): 5885.41,20.1 4744.51,20.1 4744.51,393.7 4744.12,397.62 4742.98,401.39 4741.12,404.87 4738.62,407.91 4735.57,410.41 4732.1,412.27 4728.33,413.41 4724.41,413.8 1499.6,413.8 1499.6,492.13 1499.56,492.57 1499.27,497.68 1498.34,503.16 1496.8,508.51 1494.67,513.65 1491.98,518.52 1488.76,523.05 1485.06,527.2 1480.91,530.91 1476.37,534.13 1471.5,536.82 1466.36,538.95 1461.02,540.49 1455.53,541.42 1449.98,541.73 1444.42,541.42 1438.94,540.49 1433.59,538.95 1428.45,536.82 1423.59,534.13 1419.05,530.91 1414.9,527.2 1411.19,523.05 1407.98,518.52 1405.28,513.65 1403.16,508.51 1401.62,503.16 1400.68,497.68 1400.4,492.57 1400.35,492.13 1400.35,413.8 1181.1,413.8 1177.18,413.41 1173.41,412.27 1169.94,410.41 1166.89,407.91 1164.39,404.87 1162.54,401.39 1161.39,397.62 1161.01,393.7 1161.01,20.1 20.1,20.1 20.1,4310.61 5885.41,4310.61
VCC_1.2V on InternalPlane3 (split plane): 5885.41,20.1 4744.51,20.1 4744.51,393.7 4744.12,397.62 4742.98,401.39 4741.12,404.87 4738.62,407.91 4735.57,410.41 4732.1,412.27 4728.33,413.41 4724.41,413.8 4265.09,413.8 4265.09,1495 4264.74,1497.61 4263.74,1500.04 4262.13,1502.13 4260.04,1503.73 4257.61,1504.74 4255,1505.09 3440,1505.09 3437.39,1504.74 3434.96,1503.73 3432.87,1502.13 3431.26,1500.04 3430.26,1497.61 3429.91,1495 3429.91,965.09 610.09,965.09 610.09,1895 609.74,1897.61 608.74,1900.04 607.13,1902.13 605.04,1903.73 602.61,1904.74 600,1905.09 20.1,1905.09 20.1,4310.61 5885.41,4310.61
VCC_2.5V on InternalPlane3 (split plane): 589.91,955 590.26,952.39 591.26,949.96 592.87,947.87 594.96,946.26 597.39,945.26 600,944.91 3440,944.91 3442.61,945.26 3445.04,946.26 3447.13,947.87 3448.74,949.96 3449.74,952.39 3450.09,955 3450.09,1484.91 4244.91,1484.91 4244.91,413.8 1499.6,413.8 1499.6,492.13 1499.56,492.57 1499.27,497.68 1498.34,503.16 1496.8,508.51 1494.67,513.65 1491.98,518.52 1488.76,523.05 1485.06,527.2 1480.91,530.91 1476.37,534.13 1471.5,536.82 1466.36,538.95 1461.02,540.49 1455.53,541.42 1449.98,541.73 1444.42,541.42 1438.94,540.49 1433.59,538.95 1428.45,536.82 1423.59,534.13 1419.05,530.91 1414.9,527.2 1411.19,523.05 1407.98,518.52 1405.28,513.65 1403.16,508.51 1401.62,503.16 1400.68,497.68 1400.4,492.57 1400.35,492.13 1400.35,413.8 1181.1,413.8 1177.18,413.41 1173.41,412.27 1169.94,410.41 1166.89,407.91 1164.39,404.87 1162.54,401.39 1161.39,397.62 1161.01,393.7 1161.01,20.1 20.1,20.1 20.1,1884.91 589.91,1884.91

## Other copper
Bottom Layer:
  text "CSU REV:B" at 1175,4140 h80
InternalPlane1 (plane layer: these items are gaps in the copper):
  the board outline again, w40
InternalPlane2 (plane layer: these items are gaps in the copper):
  lines w20: 4190,398.7 4195,393.7
  lines w40: 0,0 1181.1,0 1181.1,393.7 1420.45,393.7 1420.45,492.13 cw(c1449.98,492.13) 1479.51,492.13 1479.51,394.51 1480.31,393.7 4724.41,393.7 4724.41,0 5905.51,0 5905.51,4330.71 0,4330.71 0,0
InternalPlane3 (plane layer: these items are gaps in the copper):
  lines w20: 0,1895 600,1895 600,955 3440,955 3440,1495 4255,1495 4255,393.7
  lines w40: 0,0 1181.1,0 1181.1,393.7 1420.45,393.7 1420.45,492.13 cw(c1449.98,492.13) 1479.51,492.13 1479.51,394.51 1480.31,393.7 4724.41,393.7 4724.41,0 5905.51,0 5905.51,4330.71 0,4330.71 0,0

## Silkscreen, mask and mechanical layers (free items; w line width, h text height)
Top Overlay:
  region: 750,4000 400,4000 400,3800 750,3800
  text "CSU Board" at 480,4140 h80
  text "REV" at 105,3830 h80
Mechanical 1:
  lines w10: 1180,394 1180,0 0,0 0,4330 5905,4330 5905,0 4725,0 4725,394
Mechanical 2:
  drawing of 240 lines, arcs and shapes, not listed
  text "NOTES:" at 9319.93,7369.82 h100
  text "1. MATERIAL: .062+/- .006 (FINISHED) GLASS EPOXY LAMINATE," at 9330.93,7166.82 h75
  text "TYPE: NEMA GRADE FR4 OR EQUIV." at 10250.93,7006.82 h75
  text "TG 170 MATERIAL OR BETTER." at 10240,6880 h75
  text "1.0 oz COPPER CLAD ON OUTER LAYERS." at 10245,6755 h75
  text "1.0 oz COPPER CLAD ON INNER LAYERS." at 10240,6620 h75
  text "CONSTRUCTION SHALL MEET CLASS 94V-1." at 10230,6485 h75
  text "8  LAYERS." at 10240,6350 h75
  text "2. CONSTRUCTION: LIQUID PHOTO-IMAGEABLE SOLDERMASK OVER BASE COPPER" at 9315.93,6171.82 h75
  text "PER IPC-SM-840B, TYPE B, CLASS 3." at 10560.93,6021.82 h75
  text "COLOR GREEN" at 10565,5905 h75
  text "TOLERANCE: .xxx = .005, .xx = .01" at 10555,5760 h75
  text "LAYER CONSTRUCTION ALIGNMENT MAX: +/-.005" at 10565,5635 h75
  text "3. FINISH: COPPER PLATE-THRU ALL MARKED HOLES." at 9310.93,5496.82 h75
  text "MIN PLATING THICKNESS: 1oz" at 10085.93,5346.82 h75
  text "ALL EXPOSED COPPER PADS & VIAS SHALL BE 3-5 MICRO INCHES" at 10084.93,5212.82 h75
  text "IMMERSION GOLD OR SILVER OVER 150 MICRO INCHES NICKEL (MIN)." at 10079.93,5077.82 h75
  text "5.905" at 5925,4830 h70 r90
  text "SILKSCREEN COMPONENT SIDES(TOP,BOTTOM) ." at 10075.93,4640.82 h75
  text "TYPE: CAT-L-INK OR EQUIV. COLOR: WHITE." at 10080.93,4500.82 h75
  text "SLIKSCREEN TO REMAIN CLEAR OF EXPOSED PADS." at 10075.93,4355.82 h75
  text "4.330" at 6400,4305 h70
  text "REGISTER TOLERANCE: +/-.015" at 10080.93,4205.82 h75
  text "ALL HOLES SHALL BE DRILLED +/- .003 INCH WITH" at 10070.93,2985.82 h75
  text "RESPECT TO CENTER OF DRILLED PAD." at 10042.93,2807.82 h75
  text "ALL HOLES ARE FINISHED SIZE AFTER PLATING." at 10080.93,2670.82 h75
  text "COMPONENT SIDE (.GTL)" at 11865,1905 h50
  text "LAYER CONSTRUCTION DETAIL" at 10114.93,1887.82 h60
  text "GROUND PLANE (.GP1)" at 11990,1795 h50
  text "MID LAYER 1 (.G1)" at 12294.93,1706.82 h50
  text "VOLTAGE PLANE (.GP2)" at 12720.93,1613.82 h50
  text "MID LAYER 2  (.G2)" at 13145,1505 h50
  text "INSULATION" at 9750.93,1499.82 h50
  text "VOLTAGE PLANE (.GP3)" at 12355,1325 h50
  text "MID LAYER 3 (.G3)" at 12020,1225 h50
  text "BOTTOM SIDE (.GBL)" at 11830,1115 h50
  text "HOLE TOLERENCE" at 9731.93,620.82 h60
  text "TOOL" at 10566.93,620.82 h60
  text "HOLE SIZE" at 11006.93,620.82 h60
  text "HOLE COUNT" at 11786.93,620.82 h60
  text "PLATE-THRU" at 13726.93,620.82 h60
  text "SYMBOL" at 12475.93,606.82 h60
  text "NOTE" at 13271.93,600.82 h60
  text "+/-.003" at 9886.93,500.82 h60
  text "0.493" at -1030,495 h70
  text "T1" at 10596.93,490.82 h60
  text "YES" at 13902.93,490.82 h60
  text "799" at 11967.93,487.82 h60
  text "B" at 12580,485 h60
  text "10 MIL" at 11015,480 h60
  text "FINISHED SIZE" at 13032.93,467.82 h60
  text "0.394" at -985,380 h60
  text "15 MIL" at 11026.57,371.97 h60
  text "+/-.003" at 9886.93,370.82 h60
  text "T2" at 10596.93,370.82 h60
  text "A" at 12565,370 h60
  text "352" at 11960,365 h60
  text "YES" at 13902.93,360.82 h60
  text "FINISHED SIZE" at 13032.93,337.82 h60
  text "+/-.003" at 9886.93,250.82 h60
  text "T3" at 10596.93,250.82 h60
  text "C" at 12570,245 h60
  text "25 MIL" at 11026.93,243.82 h60
  text "YES" at 13902.93,240.82 h60
  text "39" at 11976.93,238.82 h60
  text "FINISHED SIZE" at 13032.93,217.82 h60
  text "+/-.003" at 9886.93,130.82 h60
  text "T4" at 10596.93,130.82 h60
  text "E" at 12580,130 h60
  text "YES" at 13902.93,125.82 h60
  text "3" at 11970,120 h60
  text "36 MIL" at 11017.93,112.82 h60
  text "FINISHED SIZE" at 13032.93,97.82 h60
  text "R 0.030" at 2020,45 h70
  text "+/-.003" at 9886.93,10.82 h60
  text "57" at 11970,10 h60
  text "YES" at 13911.93,8.82 h60
  text "D" at 12580,5 h60
  text "42 MIL" at 11020,0 h60
  text "T5" at 10607.93,-4.18 h60
  text "FINISHED SIZE" at 13032.93,-14.18 h60
  text "0.000" at -850,-40 h70
  text "T6" at 10607.93,-104.18 h60
  text "2" at 11990,-110 h60
  text "92 MIL" at 11017.93,-117.18 h60
  text "+/-.003" at 9886.93,-119.18 h60
  text "YES" at 13910,-120 h60
  text "G" at 12570,-125 h60
  text "FINISHED SIZE" at 13031.93,-131.18 h60
  text "T7" at 10617.93,-224.18 h60
  text "2" at 11982.93,-232.18 h60
  text "YES" at 13900,-235 h60
  text "+/-.003" at 9866.93,-239.18 h60
  text "118 MIL" at 10980,-240 h60
  text "F" at 12590,-245 h60
  text "FINISHED SIZE" at 13031.93,-261.18 h60
  text "T8" at 10617.93,-344.18 h60
  text "+/-.003" at 9866.93,-349.18 h60
  text "- MIL" at 10960.63,-351.46 h60
  text "-" at 12541.93,-361.18 h60
  text "-" at 12001.93,-365.18 h60
  text "FINISHED SIZE" at 13031.93,-381.18 h60
  text "T9" at 10617.93,-464.18 h60
  text "+/-.003" at 9866.93,-469.18 h60
  text "- MIL" at 10958.66,-476.46 h60
  text "-" at 11977.93,-482.18 h60
  text "NO" at 13910,-485 h60
  text "FINISHED SIZE" at 13032.93,-504.18 h60
  text "T10" at 10617.93,-584.18 h60
  text "- MIL" at 10962.93,-587.18 h60
  text "+/-.003" at 9846.93,-589.18 h60
  text "YES" at 13891.93,-591.18 h60
  text "-" at 11977.93,-597.18 h60
  text "-" at 12531.93,-606.18 h60
  text "FINISHED SIZE" at 13032.93,-624.18 h60
  text "T11" at 10627.93,-714.18 h60
  text "- MIL" at 10952.93,-717.18 h60
  text "-" at 11952.93,-717.18 h60
  text "+/-.003" at 9866.93,-719.18 h60
  text "YES" at 13891.93,-721.18 h60
  text "FINISHED SIZE" at 13032.93,-754.18 h60
  text "4.725" at 4760,-810 h70 r90
  text "0.000" at 35,-815 h70 r90
  text "1.180" at 1215,-820 h70 r90
  text "1.420" at 1380,-825 h70 r90
  text "T12" at 10617.93,-824.18 h60
  text "-" at 11962.93,-827.18 h60
  text "+/-.003" at 9846.93,-829.18 h60
  text "- MIL" at 10956.93,-831.18 h60
  text "YES" at 13892.93,-837.18 h60
  text "1.480" at 1570,-850 h70 r90
  text "FINISHED SIZE" at 13032.93,-864.18 h60
  text "T13" at 10627.93,-954.18 h60
  text "- MIL" at 10962.93,-957.18 h60
  text "+/-.003" at 9866.93,-959.18 h60
  text "-" at 11977.93,-967.18 h60
  text "NO" at 13910,-980 h60
  text "FINISHED SIZE" at 13032.93,-994.18 h60
  text "NO" at 13921.93,-1086.18 h60
  text "T14" at 10627.93,-1144.18 h60
  text "- MIL" at 10962.93,-1147.18 h60
  text "+/-.003" at 9866.93,-1149.18 h60
  text "-" at 11977.93,-1157.18 h60
  text "FINISHED SIZE" at 13032.93,-1184.18 h60
  text "1.450" at 1490,-1235 h70 r90
  text "TOTALS:" at 10606.93,-1349.18 h60
  text "1254" at 11107.93,-1354.18 h60
  text "Las Cumbres Observatory, Inc" at 10240,-2050 h150
  text "FABRICATION DRAWING" at 10879.93,-2662.18 h150
  text "CSU BOARD" at 11052.93,-2967.18 h120
  text "DATE" at 9654.93,-3365.18 h100
  text "11/09/11" at 10254.93,-3365.18 h100
  text "SIZE" at 11679.93,-3365.18 h100
  text "DRAWING NUMBER" at 12179.93,-3365.18 h100
  text "REV" at 14654.93,-3365.18 h100
  text "SCALE" at 9654.93,-3615.18 h100
  text "2/1" at 10279.93,-3615.18 h100
  text "B" at 14679.93,-3615.18 h150
  text "D" at 11785.93,-3620.18 h150
  text "FAB-CSU" at 12295,-3625 h150
Mechanical 3:
  circle w12: c196.85,393.7 r116.99
  circle w12: c984.25,393.7 r114.78
  lines w3: 9584.93,-3715.18 9584.93,-1715.18 15084.93,-1715.18 ; 9584.93,-3215.18 15084.93,-3215.18 ; 9584.93,-2315.18 15084.93,-2315.18 ; 11584.93,-3715.18 11584.93,-3215.18 ; 12084.93,-3715.18 12084.93,-3215.18 ; 14534.93,-3715.18 14534.93,-3215.18 ; 15084.93,-3712.18 15084.93,7807.82 -4537.07,7807.82 -4537.07,-3712.18 15087.93,-3712.18
  text "Las Cumbres Observatory, Inc" at 10240,-2050 h150
  text "ASSEMBLY  DRAWING" at 10884.93,-2662.18 h150
  text "CSU BOARD" at 11057.93,-2967.18 h120
  text "DATE" at 9659.93,-3365.18 h100
  text "11/09/11" at 10259.93,-3365.18 h100
  text "SIZE" at 11684.93,-3365.18 h100
  text "DRAWING NUMBER" at 12184.93,-3365.18 h100
  text "REV" at 14659.93,-3365.18 h100
  text "SCALE" at 9659.93,-3615.18 h100
  text "2/1" at 10284.93,-3615.18 h100
  text "B" at 14684.93,-3615.18 h150
  text "ASSY-CSU" at 12295,-3620 h150
  text "D" at 11790.93,-3620.18 h150

## Text inside footprints (layer, text, board x,y; h text height)
J1: Top Overlay "PC07" at 1525,540 h39.37 r90; Top Overlay "PC01" at 4429.13,531.5 h39.37 r90; Top Overlay "155" at 1732.28,590.55 h60; Top Overlay "1" at 4152.76,608.82 h60 r90
J2: Bottom Overlay "2" at 4162.76,1017.4 h60; Bottom Overlay "1" at 4142.76,517.4 h60; Bottom Overlay "156" at 1842.76,997.4 h60; Bottom Overlay "155" at 1852.76,507.4 h60
J6: Top Overlay "2" at 5680,3620 h50 r270; Top Overlay "1" at 5580,3620 h50 r270; Top Overlay "14" at 5680,2820 h50 r270; Top Overlay "13" at 5580,2820 h50 r270